# Altium PCB PA_8CH_CTRL.PcbDoc (part 4 of 11)
Units mil, origin at the board's own origin, x right, y up, seen from the top; angles counter-clockwise.
Board outline 15354.33 x 4330.71 mil, 4 copper layers (Component Side, Signal Layer 1, Power Plane, Solder Side), stack 63.149 mil thick; 907 components, 557 nets, 2683 pads, 1897 vias.
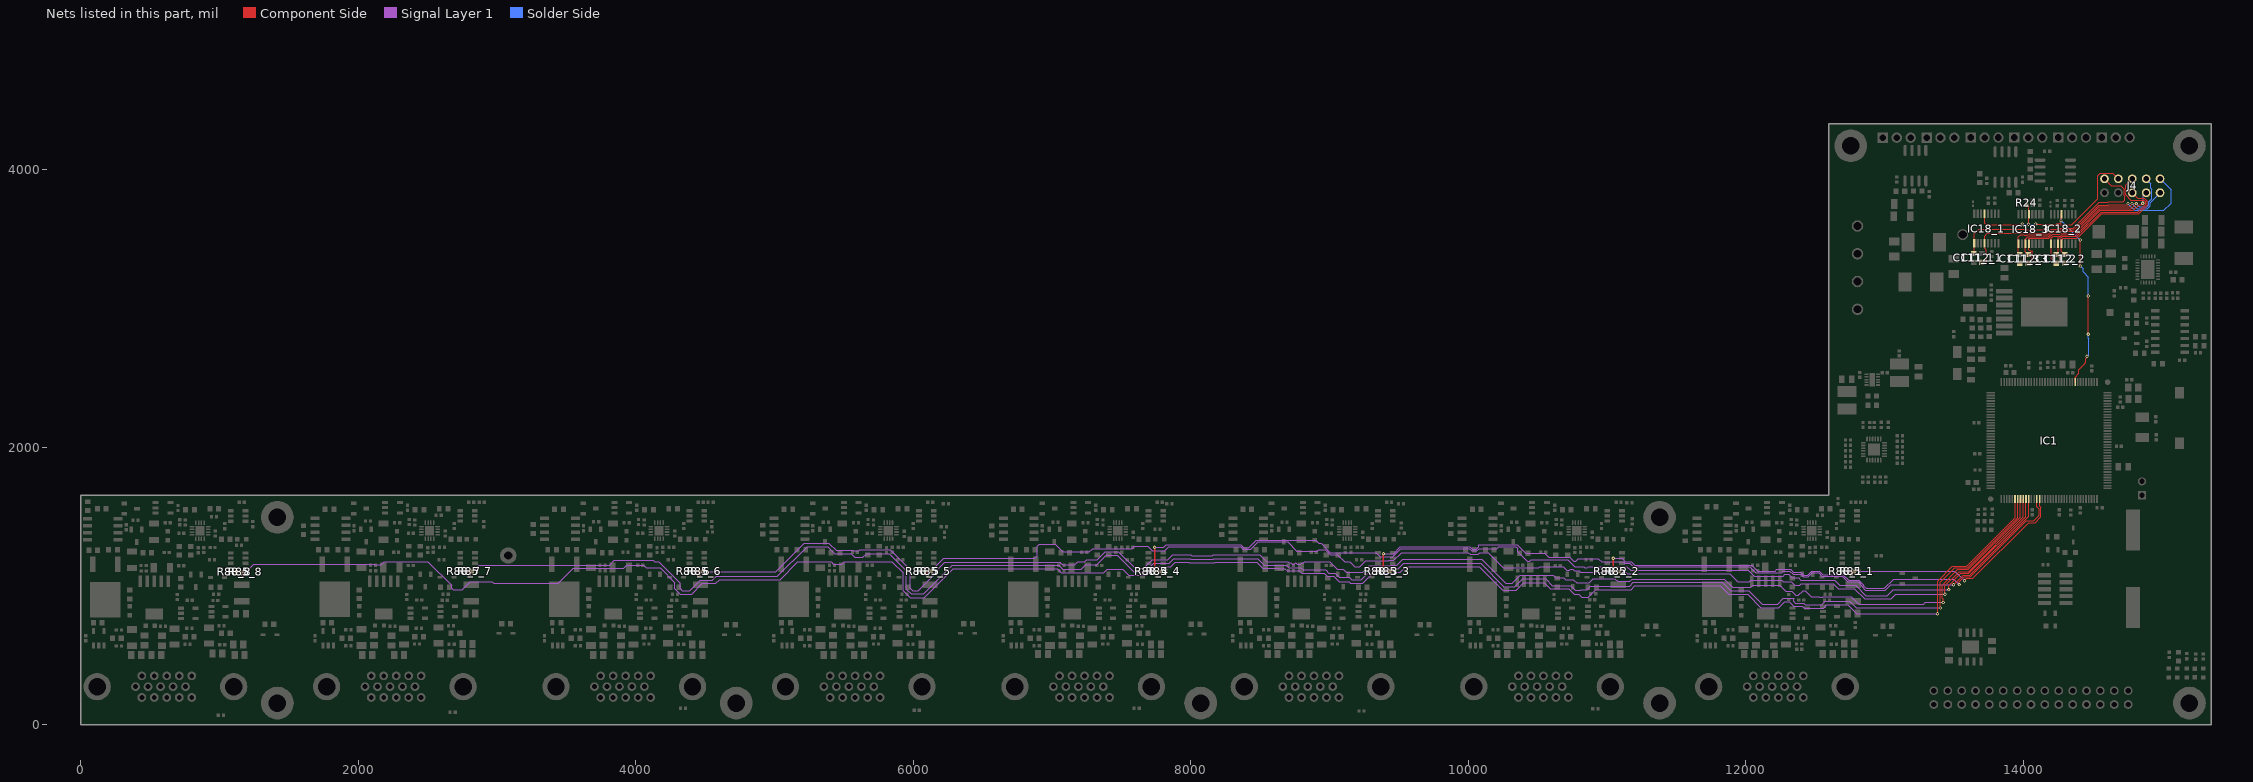
[diagram p6: the nets of this part, all layers, seen from the top]

## Via types
v1: diameter 23.62, hole 11.81, Component Side to Solder Side, tented both sides, 1569 vias
v2: diameter 23.62, hole 11.81, Component Side to Solder Side, 328 vias

## Nets (pads, with @x,y where several pads share a name; then routed paths per layer and width w, separated by ;. In a path a pad name is that pad's centre, name@x,y a point inside that pad or via, vN(x,y) a via of type N, cw(c..) or ccw(c..) an arc to the next point about the centre after c; other vN are vias at no path point) (continued)
DXN_2: C111_2.1 C112_2.1 IC18_2.11 J4.5 | length 1261.3
  Component Side w6: C112_2.1@14297.24,3326.77 14297.24,3329.72 C111_2.1@14237.2,3389.76 14249.9,3402.46 IC18_2.11@14249.9,3468.5 14249.9,3510.45 14273.76,3510.45 14283.33,3520.02 14385.03,3520.02 14560.75,3695.74 14825.17,3695.74 14880.81,3751.38 14880.81,3768.62 14866.93,3782.5 14774.56,3782.5 14737.5,3819.56 14737.5,3887.49 J4.5@14785,3934.99
DXN_3: C111_3.1 C112_3.1 IC18_3.11 J4.2 | length 1361.8
  Component Side w6: C111_3.1@13975.39,3326.77 13994.09,3345.47 13994.09,3350.39 13996.06,3350.39 C112_3.1@14035.43,3389.76 14014.67,3410.53 IC18_3.11@14014.67,3466.54 14014.67,3500.89 14032.74,3518.96 14179.36,3518.96 14209.36,3548.96 14261.36,3548.96 14268.42,3556.02 14370.12,3556.02 14547.92,3733.82 14617.18,3733.82 14618.41,3735.05 14761.72,3735.05 v2(14783.56,3756.89)
  Solder Side w6: v2(14783.56,3756.89) 14820.52,3719.92 14893.26,3719.92 14914.7,3741.37 14914.7,3764.69 J4.2@14985,3834.99
DXP1_1: C111_1.2 IC18_1.9 J4.7 | length 1481.1
  Component Side w6: C111_1.2@13641.73,3396.65 13645.77,3400.69 IC18_1.9@13645.77,3470.47 13645.77,3538.48 13678.15,3570.87 14002.92,3570.87 14005.84,3567.95 14017.32,3567.95 14018.3,3566.96 14159.48,3566.96 14189.48,3596.96 14241.48,3596.96 14248.54,3604.02 14350.24,3604.02 14536.22,3790 14536.22,3956.22 14555.49,3975.49 14644.51,3975.49 J4.7@14685,3934.99
DXP1_2: C111_2.2 IC18_2.9 J4.4 | length 1045.1
  Component Side w6: C111_2.2@14237.2,3326.77 14199.9,3364.07 IC18_2.9@14199.9,3468.5 14199.9,3505.56 14216.79,3522.45 14268.79,3522.45 14278.36,3532.02 14380.06,3532.02 14555.78,3707.74 14793.46,3707.74 14833.99,3748.27 14848.27,3748.27 v1(14860,3760)
  Signal Layer 1 w6: v1(14860,3760) 14865.7,3765.7 14865.7,3815.69 J4.4@14885,3834.99
DXP1_3: C111_3.2 IC18_3.9 J4.1 | length 1588.1
  Component Side w6: C111_3.2@13975.39,3389.76 13964.67,3400.49 IC18_3.9@13964.67,3466.54 13964.67,3516.22 13980.25,3531.81 14002.54,3531.81 14004.82,3529.53 14026.34,3529.53 14027.77,3530.96 14174.39,3530.96 14204.39,3560.96 14256.39,3560.96 14263.45,3568.02 14365.15,3568.02 14542.95,3745.82 14612.2,3745.82 14613.44,3747.05 14753.94,3747.05 v2(14753.94,3756.89)
  Solder Side w6: v2(14753.94,3756.89) 14802.9,3707.92 15012.06,3707.92 15065,3760.87 15065,3854.99 J4.1@14985,3934.99
DXP2_1: C112_1.2 IC18_1.12 J4.9 | length 1601.9
  Component Side w6: C112_1.2@13700.79,3333.66 13701.77,3332.68 13728.35,3332.68 13735.24,3339.57 13735.24,3389.64 13734.45,3390.43 13734.45,3422.05 13720.77,3435.73 IC18_1.12@13720.77,3470.47 13720.77,3522.93 13741.64,3543.81 14007.51,3543.81 14009,3542.32 14010.83,3542.32 14011.47,3542.96 14169.42,3542.96 14199.42,3572.96 14251.42,3572.96 14258.48,3580.02 14360.18,3580.02 14546.17,3766 14607.22,3766 14611.89,3770.67 14701.87,3770.67 14702.99,3769.54 14720.23,3769.54 14732.43,3781.73 14732.43,3807.66 14725.5,3814.59 14725.5,3861.93 14702.43,3885 14634.99,3885 J4.9@14585,3934.99
DXP2_2: C112_2.2 IC18_2.12 J4.6 | length 1000
  Component Side w6: C112_2.2@14297.24,3389.76 14274.9,3412.11 IC18_2.12@14274.9,3468.5 14274.9,3498.45 14278.93,3498.45 14281.44,3500.96 14283.03,3500.96 14283.03,3502.74 14288.3,3508.02 14390,3508.02 14565.72,3683.74 14830.14,3683.74 14892.81,3746.41 14892.81,3773.59 14871.9,3794.5 14825.5,3794.5 J4.6@14785,3834.99
DXP2_3: C112_3.2 IC18_3.12 J4.3 | length 1401.1
  Component Side w6: C112_3.2@14035.43,3326.77 14064.12,3355.46 14064.12,3412.19 14058.85,3417.46 14048.09,3417.46 14039.67,3425.89 IC18_3.12@14039.67,3466.54 14039.67,3504.23 14042.4,3506.96 14184.33,3506.96 14211.82,3534.45 14263.82,3534.45 14273.39,3544.02 14375.09,3544.02 14550.81,3719.74 14776.03,3719.74 v2(14813.18,3756.89)
  Solder Side w6: v2(14813.18,3756.89) 14834.83,3735.24 14890.24,3735.24 14902.7,3747.7 14902.7,3769.66 14925.5,3792.46 14925.5,3858.81 14918.45,3865.86 14918.45,3901.54 J4.3@14885,3934.99
EN_PWR_CH0: IC1.114 R85_8.2 R88_8.2 | length 14620.8
  Component Side w6: v1(13381.38,801.62) 13381.38,1036.38 13489,1144 13593.4,1144 13942.81,1493.41 13942.81,1624.87 IC1.114@13939.94,1627.74
  Component Side w10: R88_8.2@1124.5,1105 R85_8.2@1168.5,1105 1168.5,1078.5 v1(1168,1078)
  Signal Layer 1 w6: v1(1168,1078) 1246,1156 2114.57,1156 2116.38,1154.19 2166.19,1154.19 2187,1175 2502,1175 2672.19,1004.81 2672.19,984.38 2684.38,972.19 2701.62,972.19 2703.43,974 2749,974 2807.81,1032.81 2962.76,1032.81 2963.38,1032.19 2965.62,1032.19 2977,1020.81 3001.76,1020.81 3003.38,1019.19 3020.62,1019.19 3023.43,1022 3442,1022 3547.95,1127.95 3912.95,1127.95 3934,1149 4058,1149 4075,1132 4175.06,1132 4281,1026.06 4281,981 4319,943 4404,943 4480,1019 4576,1019 4604,1047 5039.97,1047 5167.3,1174.33 5372.22,1174.33 5372.89,1175 5407.65,1175 5423.66,1158.98 5485.39,1158.98 5502.21,1175.81 5846.19,1175.81 5927,1095 5927,967.69 5978.69,916 6080.6,916 6289.6,1125 7037.69,1125 7066.36,1096.33 7373.33,1096.33 7398,1121 7510,1121 7553.85,1077.15 7678.06,1077.15 7741.91,1141 7855.91,1141 7886.91,1172 7985.37,1172 7988.18,1169.19 8173.24,1169.19 8176.05,1172 8474.06,1172 8518.11,1127.95 8629.31,1127.95 8630.31,1126.95 8677.31,1126.95 8695.07,1109.19 8782.87,1109.19 8799.06,1093 8961.06,1093 8984.06,1070 9030.06,1070 9069.25,1030.81 9140.62,1030.81 9149.24,1022.19 9238.13,1022.19 9309.94,1094 9457.15,1094 9464.6,1101.45 9509.45,1101.45 9549,1141 10078.06,1141 10247.06,972 10344.91,972 10398.91,1026 10546,1026 10592.19,979.81 10723.19,979.81 10762,941 10797.57,941 10818.38,920.19 10864.62,920.19 10919.76,975.33 11172.93,975.33 11200.41,1002.81 11816.22,1002.81 11878.03,941 12012.06,941 12108.06,845 12238.6,845 12281.41,887.81 12312.13,887.81 12346.61,853.33 12407.97,853.33 12419.97,841.33 12560.3,841.33 12584.97,866 12734.03,866 12798.41,801.62 v1(13381.38,801.62)
EN_PWR_CH1: IC1.115 R85_7.2 R88_7.2 | length 12914.7
  Component Side w6: v1(13402.19,842.81) 13402.19,1028.19 13506,1132 13598.37,1132 13959.62,1493.25 IC1.115@13959.62,1627.74
  Component Side w10: R88_7.2@2778.05,1106.14 2801,1106.14 ; v1(2801,1080) 2801,1106.14 ; R85_7.2@2822.04,1106.14 2801,1106.14
  Signal Layer 1 w6: v1(2801,1080) 2872.95,1151.95 3811.38,1151.95 3845.38,1185.95 4127.45,1185.95 4136.4,1177 4164,1177 4320,1021 4320,985 4336.81,968.19 4389,968.19 4464.81,1044 4553,1044 4580,1071 5021,1071 5234.95,1284.95 5382.25,1284.95 5434.14,1233.06 5553.14,1233.06 5577.87,1208.33 5636.25,1208.33 5662.87,1234.95 5827.11,1234.95 5951,1111.06 5951,977.63 5984.63,944 6074.66,944 6279.66,1149 7047.63,1149 7076.3,1120.33 7210.3,1120.33 7243.3,1153.33 7322.24,1153.33 7391.86,1222.95 7468.79,1222.95 7588.06,1103.69 7670.66,1103.69 7731.97,1165 7845.97,1165 7876.97,1196 7995.31,1196 7998.12,1193.19 8163.3,1193.19 8166.11,1196 8484,1196 8528.05,1151.95 8639.25,1151.95 8640.25,1150.95 8687.25,1150.95 8705.01,1133.19 8792.81,1133.19 8809,1117 8971,1117 8994,1094 9040,1094 9069,1065 9140.37,1065 9159.18,1046.19 9228.19,1046.19 9304.33,1122.33 9451.54,1122.33 9454.66,1125.45 9495.42,1125.45 9534.97,1165 10088,1165 10257,996 10334.97,996 10391.97,1053 10557.03,1053 10606.22,1003.81 10737.79,1003.81 10772.41,969.19 10808.79,969.19 10814.41,974.81 10855.75,974.81 10880.27,999.33 11162.99,999.33 11190.47,1026.81 11831.22,1026.81 11893.03,965 12022,965 12118,869 12228.66,869 12271.47,911.81 12349.41,911.81 12349.61,912.01 12344.36,906.76 12344.36,889.52 12356.55,877.33 12417.91,877.33 12429.91,865.33 12548.76,865.33 12573.43,890 12750,890 12797.19,842.81 v1(13402.19,842.81)
EN_PWR_CH2: IC1.116 R85_6.2 R88_6.2 | length 11008.2
  Component Side w6: v1(13423,882) 13423,905.19 13414.19,914 13414.19,1005.19 13529,1120 13603.34,1120 13979.31,1495.96 IC1.116@13979.31,1627.74
  Component Side w10: R88_6.2@4431.59,1106.14 4454,1106.14 ; v1(4454,1079) 4454,1106.14 ; R85_6.2@4475.58,1106.14 4454,1106.14
  Signal Layer 1 w6: v1(4454,1079) 4477,1102 5008,1102 5214.95,1308.95 5392.19,1308.95 5444.08,1257.06 5563.08,1257.06 5563.95,1256.19 5608.28,1256.19 5614.04,1261.95 5834.05,1261.95 5978.05,1117.95 5978.05,984.52 5994.57,968 6036.4,968 6144.19,1075.79 6144.19,1090.62 6226.57,1173 7063.19,1173 7064.19,1172 7064.19,1166.38 7076.38,1154.19 7163.19,1154.19 7186.33,1177.33 7237.33,1177.33 7251,1191 7325.97,1191 7381.92,1246.95 7478.73,1246.95 7598,1127.69 7659.69,1127.69 7723,1191 7834,1191 7869,1226 7999.25,1226 8008.06,1217.19 8153.35,1217.19 8162.17,1226 8497,1226 8547.05,1175.95 8649.19,1175.95 8650.19,1174.95 8697.19,1174.95 8704.77,1167.37 8720.2,1167.37 8729.38,1158.19 8746.62,1158.19 8755.8,1167.37 8756.23,1167.37 8766.41,1157.19 8793.59,1157.19 8803.77,1167.37 8814.2,1167.37 8820.78,1173.95 9002.65,1173.95 9056.65,1119.95 9099.34,1119.95 9119.48,1099.81 9240.81,1099.81 9287.33,1146.33 9441.6,1146.33 9444.72,1149.45 9485.45,1149.45 9529,1193 10096.03,1193 10269.03,1020 10317,1020 10375.81,1078.81 10611.62,1078.81 10629.43,1061 10689,1061 10704,1046 10757,1046 10780,1023 10870,1023 10901,1054 11057,1054 11077,1034 11162.97,1034 11179.78,1050.81 11844.19,1050.81 11904,991 12037,991 12051,1005 12245,1005 12287,963 12332.57,963 12361.38,934.19 12378.62,934.19 12412.24,967.81 12428.22,967.81 12472.03,924 12530.88,924 12533.55,921.33 12550.79,921.33 12553.46,924 12761,924 12815,870 13281,870 13293,882 v1(13423,882)
EN_PWR_CH3: IC1.117 R85_5.2 R88_5.2 | length 8892.1
  Component Side w6: v1(13435,941) 13435,1001 13539,1105 13605.31,1105 13998.99,1498.68 IC1.117@13998.99,1627.74
  Component Side w10: v1(6101,1079) 6101,1106.14 R85_5.2@6129.13,1106.14
  Signal Layer 1 w6: v1(6101,1079) 6101,1081.37 6220.63,1201 6876,1201 6894,1219 6894,1289 6908,1303 7023,1303 7079,1247 7269.6,1247 7293.55,1270.95 7576.95,1270.95 7592,1286 7690,1286 7721,1255 7812,1255 7839.81,1282.81 8358.75,1282.81 8375.41,1266.15 8432.15,1266.15 8484.95,1318.95 8697.05,1318.95 8764,1252 8868.45,1252 8868.61,1251.84 8911.02,1251.84 8921.13,1261.95 8968.37,1261.95 9003.32,1227 9056,1227 9109.05,1173.95 9145.05,1173.95 9179.81,1139.19 9217.19,1139.19 9260.33,1182.33 9426.69,1182.33 9429.81,1185.45 9464.42,1185.45 9520.97,1242 10001.1,1242 10013.5,1229.61 10070.5,1229.61 10082.9,1242 10142.03,1242 10251.7,1132.33 10508.88,1132.33 10516.55,1140 10686,1140 10711,1115 10730.69,1115 10735.64,1119.95 10752.88,1119.95 10763.83,1109 10800.03,1109 10807.58,1101.45 11135.38,1101.45 11145.88,1090.95 11883.08,1090.95 11942.84,1031.19 12026.28,1031.19 12036.09,1041 12259.91,1041 12269.72,1031.19 12302.62,1031.19 12303.43,1032 12326.46,1032 12352.17,1006.29 12389.72,1006.29 12400.62,1017.19 12628.81,1017.19 12665,981 12783,981 12856,908 13047,908 13080,941 v1(13435,941)
EN_PWR_CH4: IC1.118 R85_4.2 R88_4.2 | length 7196.1
  Component Side w6: v1(13462,975) 13462,1004.43 13548.57,1091 13608.28,1091 14018.68,1501.39 IC1.118@14018.68,1627.74
  Component Side w10: R88_4.2@7738.68,1106.14 R88_4.2@7742.86,1106.14 ; v1(7739,1280) 7739,1110 R88_4.2@7742.86,1106.14 ; R85_4.2@7782.67,1106.14 R88_4.2@7742.86,1106.14
  Signal Layer 1 w6: v1(7739,1280) 7806,1280 7823,1297 8361.53,1297 8380.38,1278.15 8417.64,1278.15 8470.44,1330.95 8900.56,1330.95 8923.75,1307.76 8939.53,1307.76 9005.29,1242 9336,1242 9364.81,1213.19 9457.16,1213.19 9514.16,1270.19 10006.86,1270.19 10023.44,1253.61 10060.56,1253.61 10077.14,1270.19 10205.88,1270.19 10220.64,1284.95 10342.88,1284.95 10356.07,1271.76 10356.07,1249.5 10426.38,1179.19 10443.62,1179.19 10454.43,1190 10718.43,1190 10767.43,1141 10830.57,1141 10840.38,1131.19 10857.62,1131.19 10867.43,1141 11117.75,1141 11117.88,1140.87 11143.13,1140.87 11169.05,1114.95 11952.55,1114.95 11953.55,1115.95 11970.79,1115.95 11971.79,1114.95 12018.79,1114.95 12061.42,1072.33 12267.93,1072.33 12280.41,1084.81 12307.59,1084.81 12332.4,1060 12380.2,1060 12392.81,1047.39 12392.81,1045.62 12397.24,1041.19 12640.69,1041.19 12675.88,1006 12792,1006 12866,932 13018.97,932 13061.97,975 v1(13462,975)
EN_PWR_CH5: IC1.119 R85_3.2 R88_3.2 | length 5403.5
  Component Side w6: v1(13497,1010) 13566,1079 13613.25,1079 14038.36,1504.11 IC1.119@14038.36,1627.74
  Component Side w10: v1(9388,1234) 9388,1110.36 R88_3.2@9392.22,1106.14 R85_3.2@9436.21,1106.14
  Signal Layer 1 w6: v1(9388,1234) 9461,1234 9509.19,1282.19 10011.83,1282.19 10028.41,1265.61 10055.59,1265.61 10074.81,1284.83 10074.81,1295.5 10076.27,1296.95 10354.05,1296.95 10414,1237 10550,1237 10578.67,1208.33 10732.67,1208.33 10746.19,1194.81 10746.19,1192.38 10758.57,1180 10772,1180 10772.19,1180.19 10775.62,1180.19 10792.43,1197 10938,1197 10940.45,1194.55 10959.97,1175 11117.7,1175 11127.82,1164.87 11162.13,1164.87 11187.05,1139.95 11980.73,1139.95 11981.73,1138.95 12028.73,1138.95 12071.36,1096.33 12257.99,1096.33 12270.47,1108.81 12317.53,1108.81 12342.34,1084 12395.99,1084 12413.66,1066.33 12450.76,1066.33 12479.24,1094.81 12523.79,1094.81 12548.41,1070.19 12694.84,1070.19 12735.03,1030 12809.03,1030 12838.19,1000.84 12838.19,995.41 12862.41,971.19 13005.19,971.19 13044,1010 13211.57,1010 13213.38,1008.19 13230.62,1008.19 13232.43,1010 v1(13497,1010)
EN_PWR_CH6: IC1.122 R85_2.2 R88_2.2 | length 3744.9
  Component Side w6: v1(13538,1011) 13538,1030.43 13574.57,1067 13618.22,1067 14021.22,1470 14073.43,1470 14113.81,1510.38 14113.81,1555.18 14097.42,1571.57 IC1.122@14097.42,1627.74
  Component Side w10: R88_2.2@11039,1105.14 R88_2.2@11044,1105.14 ; v1(11044,1200) R88_2.2@11044,1105.14 ; R88_2.2@11045.76,1106.14 R88_2.2@11045.76,1105.14 ; R85_2.2@11087.76,1105.14 R88_2.2@11045.76,1105.14 ; R88_2.2@11044,1105.14 R88_2.2@11045.76,1105.14 ; R88_2.2@11044,1105.14 11044,1099 11045.76,1097.24 R88_2.2@11045.76,1105.14
  Signal Layer 1 w6: v1(11044,1200) 11109.67,1200 11132.79,1176.87 11174.13,1176.87 11199.05,1151.95 11985.7,1151.95 11986.7,1150.95 12043.05,1150.95 12085.67,1108.33 12211.73,1108.33 12224.21,1120.81 12322.5,1120.81 12341.88,1101.43 12395.53,1101.43 12418.63,1078.33 12445.79,1078.33 12474.27,1106.81 12528.76,1106.81 12553.38,1082.19 12699.81,1082.19 12740,1042 12814,1042 12850.19,1005.81 12850.19,1000.38 12867.38,983.19 12998.19,983.19 13066,1051 13498,1051 v1(13538,1011)
EN_PWR_CH7: IC1.123 R85_1.2 R88_1.2 | length 1798.5
  Component Side w6: v1(13576,1039) 13592,1055 13636,1055 14039,1458 14084.97,1458 14126.01,1499.04 14126.01,1566 14117.1,1574.91 IC1.123@14117.1,1627.74
  Component Side w10: R88_1.2@12738.68,1106.14 12760,1106.14 ; v1(12760,1081) 12760,1106.14 ; R85_1.2@12782.67,1106.14 12760,1106.14
  Signal Layer 1 w6: v1(12760,1081) 12787.81,1108.81 13506.19,1108.81 v1(13576,1039)
FANN: IC1.45 IC18_1.5 IC18_2.5 IC18_3.5 R24.2 | length 2112.8
  Component Side w6: IC18_1.5@13720.77,3683.07 13720.77,3616.83 13733.27,3604.33 13988.19,3604.33 13991.82,3607.97 v2(13991.82,3610.41) ; R24.2@14025.59,3744.29 14039.67,3730.22 IC18_3.5@14039.67,3679.13 14037.4,3676.87 v2(14037.4,3608.27) ; v2(14089.57,3609.25) 14090.55,3608.27 14183.82,3608.27 14184.51,3608.96 14236.51,3608.96 14243.57,3616.02 14270.54,3616.02 14274.9,3620.37 ; v2@14274.9,3631.88 IC18_2.5@14274.9,3681.1 ; IC1.45@14373.01,2470.26 14373.01,2506.8 14400.7,2534.5 14400.7,2560.25 14447.8,2607.34 14447.8,2612.59 14449.94,2614.74 14449.94,2638.92 14458.63,2647.61 v2(14458.63,2657.47) ; v2(14409.45,3307.09) v2(14409.45,3494.09) ; v2(14468.5,2814.96) v2@14468.5,3090.5
  Solder Side w6: v2(13991.82,3610.41) 13992.67,3609.57 14036.1,3609.57 v2(14037.4,3608.27) 14038.39,3609.25 v2(14089.57,3609.25) ; v2(14271.62,3631.88) v2(14409.45,3494.09) ; v2(14409.45,3307.09) 14430.26,3286.28 14430.26,3263.88 14468.47,3225.66 14468.47,3129.8 14467.38,3128.7 14467.38,3091.63 v2(14468.47,3090.53) ; v2(14458.63,2657.47) 14469.6,2668.44 14469.6,2784.21 14468.5,2785.3 v2(14468.5,2814.96)